# Altium PCB spd150.PcbDoc (part 6 of 15) (continued)
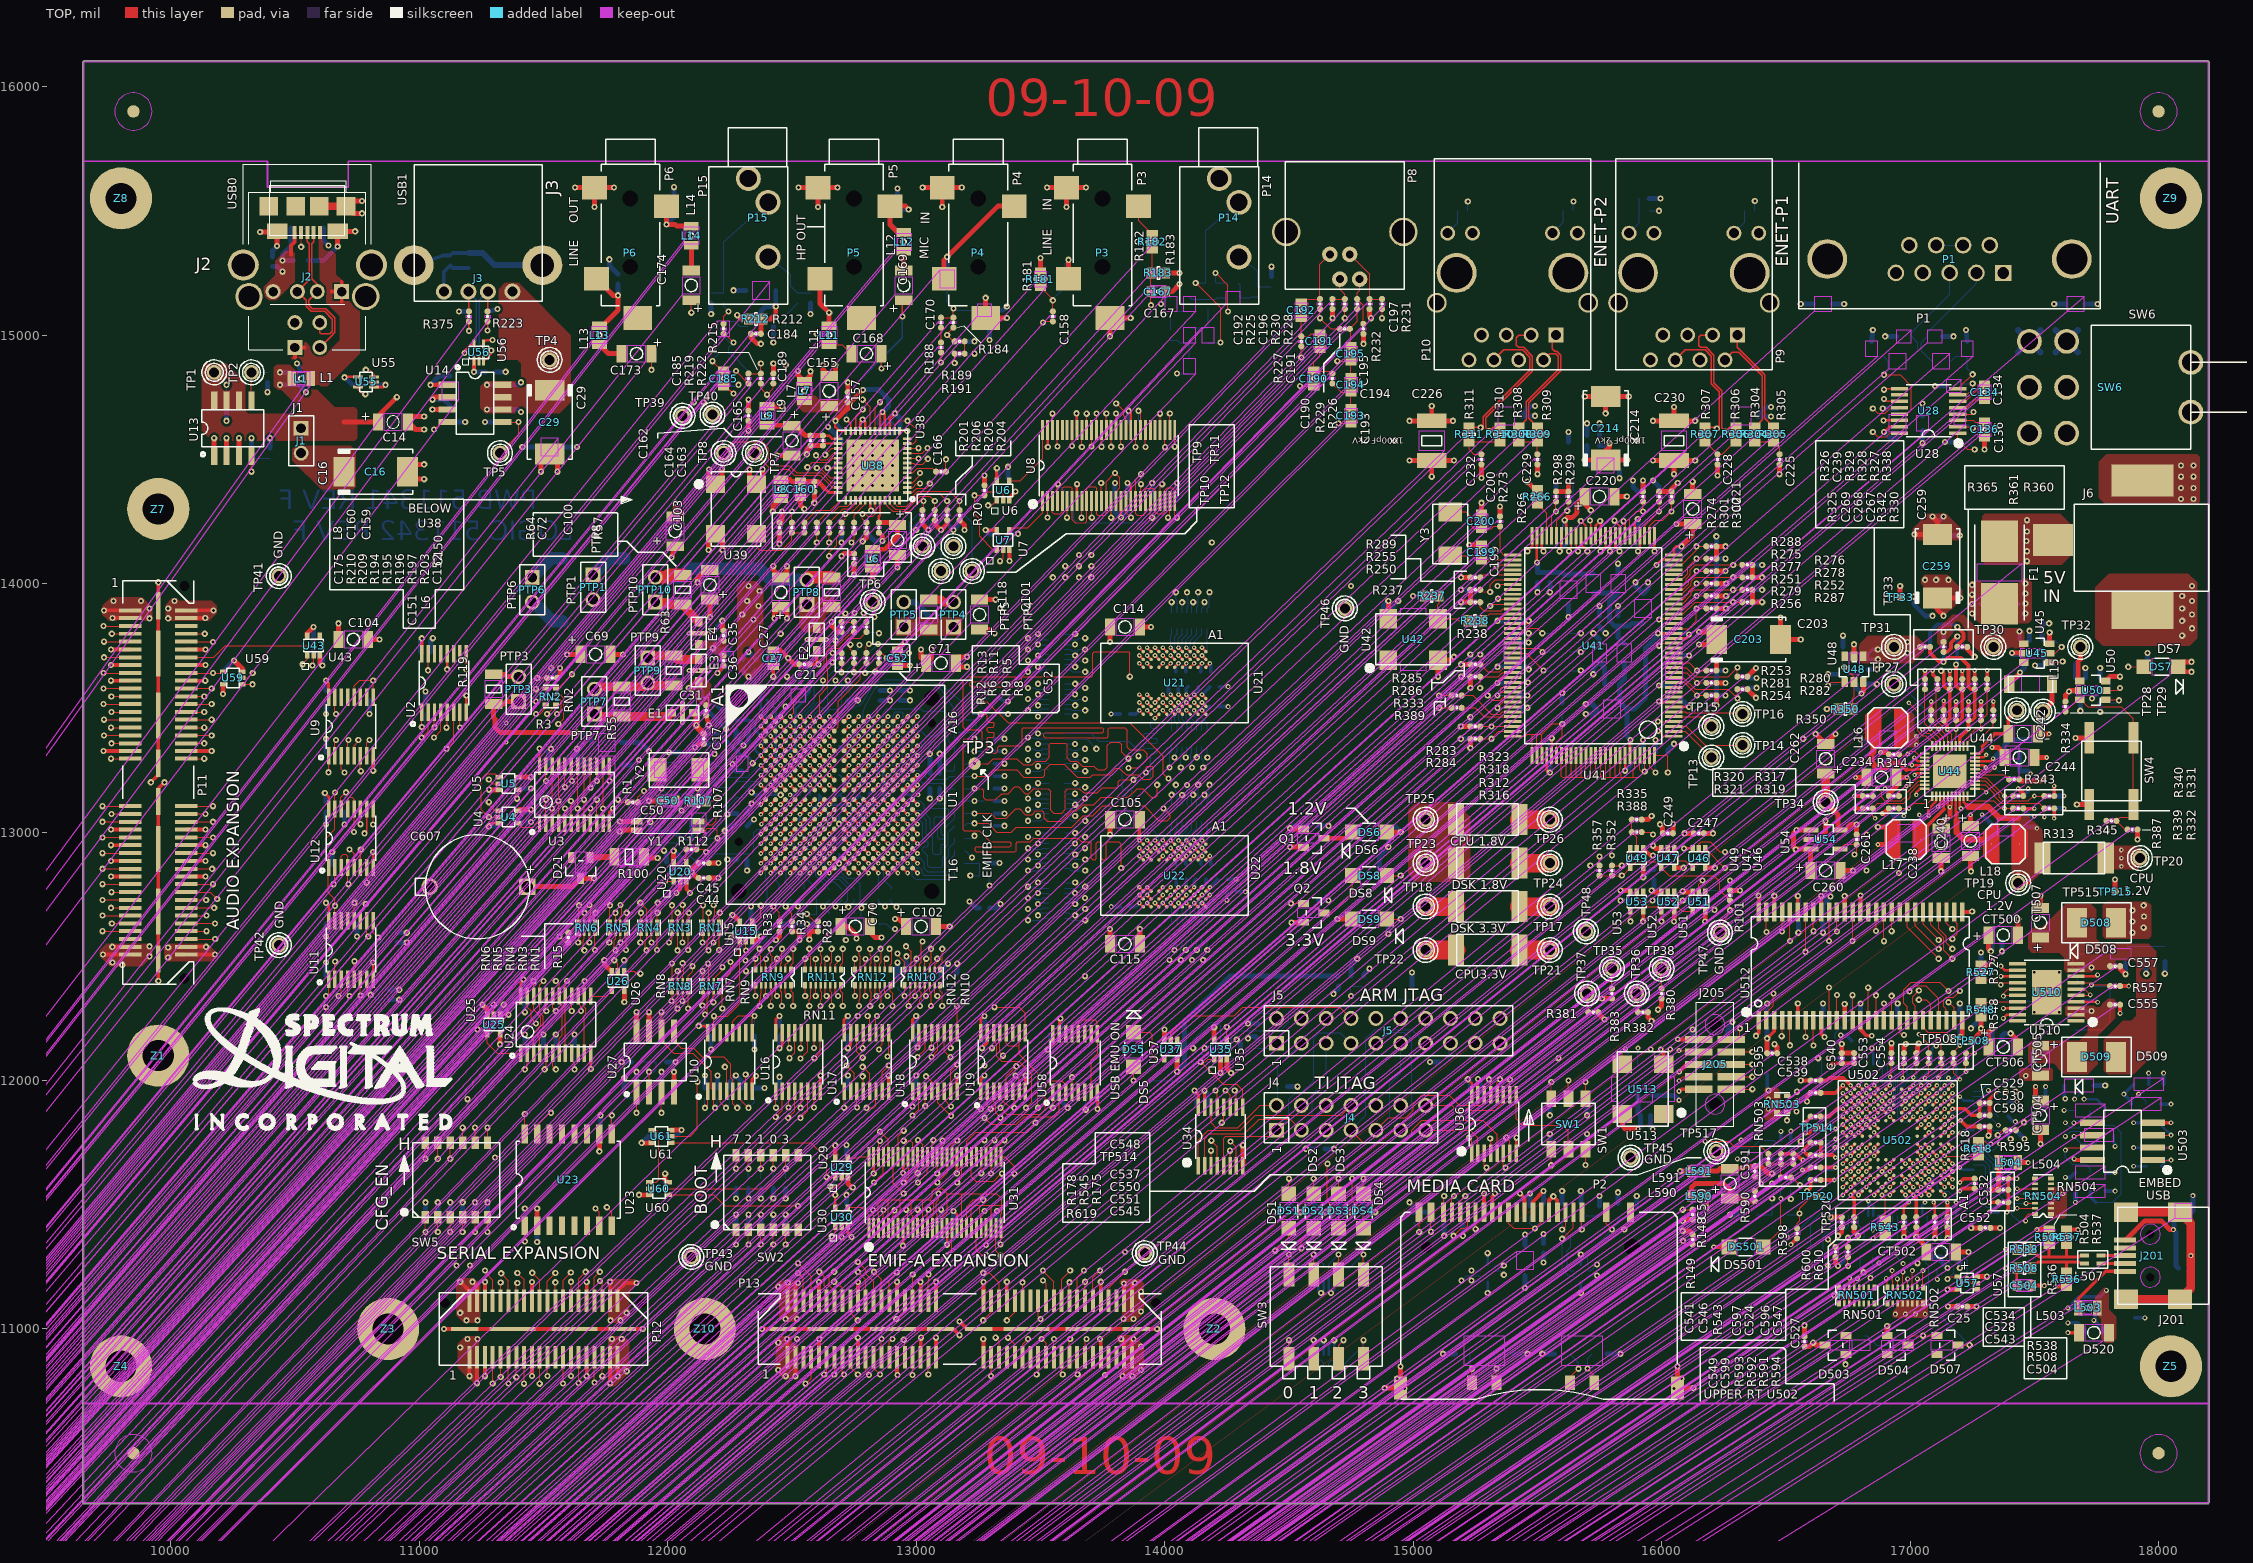
[diagram p0: TOP view]
## Nets (pads, with @x,y where several pads share a name; then routed paths per layer and width w, separated by ;. In a path a pad name is that pad's centre, name@x,y a point inside that pad or via, vN(x,y) a via of type N, cw(c..) or ccw(c..) an arc to the next point about the centre after c; other vN are vias at no path point) (continued)
EMIFB_A12: RN16.5 U21.G1 U22.G1 | length 2197.2
  TOP w10: v2(13961.3,12966.8) U22.G1@13977.1,12951 ; v2(13961.3,13741.8) U21.G1@13977.1,13726
  LYR7-SIG w4: 13887.5,13450 13895,13457.5 13927.5,13457.5 13945.3,13475.3 13945.3,13545 13976.8,13576.5 13976.8,13726.3 v2(13961.3,13741.8)
  LYR7-SIG w5: v1(13640.1,13510) 13700,13510 13705,13505 13705,13430 13700,13425 13620,13425 13615,13420 13615,13410 13620,13405 13838.9,13405 13843.9,13410 13843.9,13420 13838.9,13425 13810,13425 13805,13430 13805,13440 13810,13445 13858.9,13445 13863.9,13440 13863.9,13410 13868.9,13405 13882.5,13405 13887.5,13410 13887.5,13450
  LYR8-SIG w4: v2(13961.3,12966.8) 13961.3,12993.7
  LYR8-SIG w5: v1(13640.1,13510) 13690,13510 13705,13525 13730,13525 13750,13505 13750,13436.8 13755,13431.8 13795,13431.8 13800,13426.8 13800,13416.8 13795,13411.8 13755,13411.8 13750,13406.8 13750,13390 13785,13355 13785,13292.9 13790,13287.9 13805,13287.9 13810,13282.9 13810,13272.9 13805,13267.9 13790,13267.9 13785,13262.9 13785,13252.9 13790,13247.9 13805,13247.9 13810,13242.9 13810,13232.9 13805,13227.9 13790,13227.9 13785,13222.9 13785,13212.9 13790,13207.9 13805,13207.9 13810,13202.9 13810,13192.9 13805,13187.9 13790,13187.9 13785,13182.9 13785,13172.9 13790,13167.9 13805,13167.9 13810,13162.9 13810,13152.9 13805,13147.9 13790,13147.9 13785,13142.9 13785,13130 13792.5,13122.5 13832.5,13122.5 13877.5,13077.5 13877.5,13017.5 13885,13010 13945,13010 13961.3,12993.7
  BOTTOM w5: RN16.5@13597.1,13515.2 13602.5,13515.2 13602.7,13515 13635.1,13515 v1(13640.1,13510)
EMIFB_BA0: RN14.2 U21.G7 U22.G7 | length 2103.7
  TOP w10: v2(13961.3,13521.3) U21.G7@13977.1,13537 ; U22.G7@13977.1,12762 v2(13992.8,12777.8)
  LYR4-SIG w4: 13875,13715 13875,13660 13895,13640 13980,13640 13990,13630 13990,13578.7 13961.3,13550 v2(13961.3,13521.3)
  LYR4-SIG w5: v1(13725,13335) 13725,13370 13715,13380 13645,13380 13635,13390 13635,13430 13660.1,13455.1 13660.1,13518.3 13659.9,13518.5 13659.9,13543.1 13671.6,13554.8 13699.8,13554.8 13710,13565 13710,13600 13804.7,13694.7 13811.7,13694.7 13822.2,13684.2 13829.2,13684.2 13836.4,13691.4 13836.4,13698.4 13825.9,13708.9 13825.9,13715.9 13840,13730 13860,13730 13875,13715
  LYR7-SIG w4: 13960,13000 13977.3,12982.7 13977.3,12894.8 13973.3,12890.8 13964,12890.8 13960,12886.8 13960,12878.8 13964,12874.8 13980.3,12874.8 13985,12870.1 13985,12863.5 13980.3,12858.8 13964,12858.8 13960,12854.8 13960,12846.8 13964,12842.8 13973.3,12842.8 13977.3,12838.8 13977.3,12830.8 13973.3,12826.8 13964,12826.8 13960,12822.8 13960,12814.8 13964,12810.8 13973.3,12810.8 13977.3,12806.8 13977.3,12793.3 v2(13992.8,12777.8)
  LYR7-SIG w5: v1(13725,13335) 13800,13335 13805,13330 13805,13315 13800,13310 13755,13310 13750,13305 13750,13290 13755,13285 13797.5,13285 13802.5,13280 13802.5,13157.5 13835,13125 13835,13025 13845,13015 13945,13015 13960,13000
  BOTTOM w5: RN14.2@13597.1,13374 13597.5,13374.4 13685.6,13374.4 v1(13725,13335)
EMIFB_BA1: RN14.1 U21.G8 U22.G8 | length 1894.7
  TOP w10: v2(13961.3,13489.8) U21.G8@13977.1,13505.5 ; U22.G8@13977.1,12730.5 v2(13992.8,12746.3)
  LYR7-SIG w4: v2(13992.8,12746.3) 14008.3,12761.8 14008.3,12819.4 14012.3,12823.4 14041,12823.4 14045,12827.4 14045,12835.4 14041,12839.4 14012.3,12839.4 14008.3,12843.4 14008.3,12851.4 14012.3,12855.4 14041,12855.4 14045,12859.4 14045,12867.4 14041,12871.4 14012.3,12871.4 14008.3,12875.4 14008.3,13000
  LYR7-SIG w5: v1(13894.9,13305.4) 13894.9,13270.1 13900,13265 13900,13145 13915,13130 13930,13130 14008.3,13051.7 14008.3,13000
  LYR8-SIG w4: 13875,13465 13875,13570 13905,13600 13940,13600 13960,13580 13960,13554.7 13945.3,13540 13945.3,13505.8 v2(13961.3,13489.8)
  LYR8-SIG w5: 13875,13465 13875,13365.3 13880,13360.3 13890,13360.3 13895,13365.3 13895,13460 13900,13465 13910,13465 13915,13460 13915,13345.3 13910,13340.3 13880,13340.3 13875,13335.3 13875,13325.3 v1(13894.9,13305.4)
  BOTTOM w5: RN14.1@13597.1,13396.6 13703.4,13396.6 13735,13365 13855,13365 13895.4,13324.6 13895.4,13305.9 v1(13894.9,13305.4)
EMIFB_CASN: R93.1 R624.2 U21.F7 U22.F7 | length 2200
  TOP w5: v1(13235,13035) 13290,13035 13325,13000 13383.3,13000 13403.3,13020 13626.8,13020 13671.8,13065 13710,13065 13750,13105 13917,13105 13976,13046 14011,13046 14023,13058 14023,13067.9 v1(13995.9,13095)
  TOP w10: v2(13992.8,13552.8) U21.F7@14008.6,13537 ; U22.F7@14008.6,12762 v2(14024.3,12777.8)
  LYR8-SIG w4: v2(13992.8,13552.8) 14008.8,13536.8 14030.8,13536.8 14040.3,13527.3 14040.3,13477 14067.3,13450 ; v2(14024.3,12777.8) 14032.8,12777.8 14056,12801 14119,12801 14134.3,12816.3 14134.3,13000
  LYR8-SIG w5: 14067.3,13450 14108,13409.3 14108,13288 14087,13267 14087,13231 14065,13209 14065,13181.7 14050,13166.7 14050,13135 14040,13125 14025,13125 13995.9,13095.9 v1(13995.9,13095) 14012.9,13078 14029,13078 14058,13107 14127,13107 14134.3,13099.7 14134.3,13000
  BOTTOM w5: R93.1@13195,13025 13205,13035 v1(13235,13035) 13265,13035 R624.2@13275,13025
EMIFB_CLK: R91.1 R622.2 TP3.1 U21.F2 U22.F2 | length 2188
  TOP w5: TP3.1@13235,13275 13290,13275 13310,13295 13405,13295 13430,13270 13466.8,13270 13481.8,13285 13521,13285 13536,13300 13536,13353 13541,13358 13603,13358 13608,13353 13608,13298 13621,13285 13648.4,13285 13668.4,13265 13715,13265 13730,13250 13759,13250 13770,13261 13770,13349 13783,13362 13817,13362 13828,13351 13828,13322 v1(13855,13295)
  TOP w10: v2(13992.8,12935.3) U22.F2@14008.6,12919.5 ; v2(13992.8,13710.3) U21.F2@14008.6,13694.5
  LYR8-SIG w4: 13875,13592.5 13904.2,13621.7 13992.7,13621.7 14000,13629 14000,13647 13992,13655 13977,13655 13967,13665 13967,13684.5 v2(13992.8,13710.3)
  LYR8-SIG w5: v1(13855,13295) 13855,13397 13846,13406 13846,13438 13855,13447 13855,13572.5 13875,13592.5
  BOTTOM w4: 13959.3,13000 13977.3,12982 13977.3,12950.8 v2(13992.8,12935.3)
  BOTTOM w5: R91.1@13195,13275 TP3.1@13235,13275 R622.2@13275,13275 ; v1(13855,13295) 13830,13270 13830,13174.4 13835,13169.4 13865,13169.4 13870,13164.4 13870,13126 13865,13121 13855,13121 13850,13126 13850,13144.4 13845,13149.4 13835,13149.4 13830,13144.4 13830,13107 13926,13011 13948.3,13011 13959.3,13000
EMIFB_CS0N: R92.1 R623.2 U21.G9 U22.G9 | length 2181.6
  TOP w5: v1(13235,13175) 13264,13175 13273,13166 13273,13137 13281,13129 13318,13129 13344,13155 13370,13155 13397,13182 13412,13182 13439,13155 13453.4,13155 13473.4,13175 13532,13175 13542,13165 13542,13087 13553,13076 13585,13076 13601,13092 13601,13165 13611,13175 13656.8,13175 13674.2,13157.6 13728.6,13157.6 13749,13178 13809,13178 13814,13183 13814,13202 13822,13210 v1(13875,13210)
  TOP w10: v2(13961.3,12714.8) U22.G9@13977.1,12699 ; v2(13961.3,13458.3) U21.G9@13977.1,13474
  LYR8-SIG w4: v2(13961.3,12714.8) 13961.3,12850.3 14008.3,12897.3 14008.3,12992.4 14000.7,13000
  LYR8-SIG w5: v1(13875,13210) 13919,13166 13919,13081.7 14000.7,13000
  BOTTOM w4: 13953,13450 v2(13961.3,13458.3)
  BOTTOM w5: R92.1@13195,13175 v1(13235,13175) R623.2@13275,13175 ; v1(13875,13210) 13930,13210 13945,13225 13945,13312 13950,13317 13966,13317 13971,13322 13971,13332 13966,13337 13919,13337 13914,13342 13914,13352 13919,13357 13966,13357 13971,13362 13971,13372 13966,13377 13920,13377 13915,13382 13915,13392 13920,13397 13966,13397 13971,13402 13971,13412 13966,13417 13950,13417 13945,13422 13945,13442 13953,13450
EMIFB_D0: RN13.1 RN21.9 | length 818.5
  LYR3-SIG w5: v1(13640.1,13196.6) 13668.9,13196.6 13736.6,13264.3 13736.6,13311 13770.6,13345 13793.3,13345 13805,13356.7 13805,13379.4 13845.6,13420 14082.5,13420 14171.6,13330.9 v1(14171.6,13300)
  BOTTOM w5: RN13.1@13597.1,13196.6 v1(13640.1,13196.6) ; v1(14171.6,13300) RN21.9@14171.6,13343
EMIFB_D1: RN13.2 RN21.10 | length 819.8
  LYR3-SIG w5: v1(13680.1,13180) 13761.1,13261 13761.1,13265.9 13885,13389.8 14077.1,13389.8 14151.6,13315.3 14151.6,13263.4 v1(14155,13260)
  BOTTOM w5: RN13.2@13597.1,13174 13597.5,13174.4 13647.8,13174.4 13653.4,13180 v1(13680.1,13180) ; RN21.10@14149,13343 14149.4,13342.6 14149.4,13292.3 14155,13286.7 v1(14155,13260)
EMIFB_D2: RN13.3 RN21.11 | length 817.7
  LYR3-SIG w5: v1(13639.5,13154.4) 13632.2,13147.1 13614.2,13147.1 13602.6,13158.7 13602.6,13169.9 13608.3,13175.6 13648.8,13175.6 13664.8,13159.6 13700.8,13159.6 13808,13266.8 13820.1,13266.8 13830,13276.7 13830,13300 13902.7,13372.7 14073.4,13372.7 14129.4,13316.7 v1(14129.4,13300.6)
  BOTTOM w5: RN13.3@13597.1,13154.4 v1(13639.5,13154.4) ; v1(14129.4,13300.6) RN21.11@14129.4,13343
EMIFB_D3: RN13.4 RN21.12 | length 809.2
  LYR3-SIG w5: v1(13679.9,13134.8) 13699.8,13134.8 13811.8,13246.8 13837.8,13246.8 13848.7,13236 13867,13236 13906.7,13275.7 13906.7,13288.9 13914.9,13297.1 13914.9,13343.9 13926,13355 14068,13355 14109.4,13313.6 14109.4,13292.3 14110,13291.7 14110,13260.4 v1(14109.8,13260.2)
  BOTTOM w5: RN13.4@13597.1,13134.8 13620.1,13134.8 13624.9,13130 13650.1,13130 13654.9,13134.8 v1(13679.9,13134.8) ; v1(14109.8,13260.2) 14109.8,13285.2 14105,13290 14105,13315.2 14109.8,13320 RN21.12@14109.8,13343
EMIFB_D4: RN13.5 RN21.13 | length 800.3
  LYR3-SIG w5: v1(13640.1,13110) 13703,13110 13808,13215 13808,13226 13816,13234 13833,13234 13851.7,13215.3 13851.7,13205 13866.7,13190 13903.3,13190 13945,13231.7 13945,13251 13925,13271 13925,13287 13936,13298 13936,13312 13925,13323 13925,13331 13934,13340 14060,13340 14085,13315 v1(14085,13300)
  BOTTOM w5: RN13.5@13597.1,13115.2 13602.5,13115.2 13602.7,13115 13635.1,13115 v1(13640.1,13110) ; v1(14085,13300) 14090,13305 14090,13337.4 14090.2,13337.6 RN21.13@14090.2,13343
EMIFB_D5: RN13.6 RN21.14 | length 818.7
  LYR3-SIG w5: v1(13680.1,13090) 13710,13090 13800,13180 13907.5,13180 13955,13227.5 13955,13292 13984.7,13321.7 14053.3,13321.7 14065,13310 14065,13293.3 14044,13272.3 14044,13241.3 14051.5,13233.8 14059.6,13233.8 14065,13239.2 v1(14065,13260)
  BOTTOM w5: RN13.6@13597.1,13095.6 13620.1,13095.6 13625.7,13090 v1(13680.1,13090) ; v1(14065,13260) 14065,13314.4 14070.6,13320 RN21.14@14070.6,13343
EMIFB_D6: RN13.7 RN21.15 | length 800.8
  LYR3-SIG w5: v1(13640.1,13065) 13626.2,13078.9 13590.2,13078.9 13581,13069.7 13581,13048.3 13590.5,13038.8 13644.3,13038.8 13670.5,13065 13710,13065 13815,13170 13921,13170 13965.1,13214.1 13965.1,13280.1 13992,13307 14015,13307 14022,13300 v1(14040,13300)
  BOTTOM w5: RN13.7@13597.1,13076 13615.1,13076 13626.1,13065 v1(13640.1,13065) ; v1(14040,13300) 14040,13314 14051,13325 RN21.15@14051,13343
EMIFB_D7: RN13.8 RN21.16 | length 819.3
  LYR3-SIG w5: v1(13680.1,13045) 13756.1,13045 13764.9,13053.8 13764.9,13060 13749.7,13075.2 13749.7,13081.4 13797.1,13128.7 13803.3,13128.7 13807.7,13124.3 13807.7,13118.1 13771.1,13081.4 13771.1,13075.2 13775.6,13070.7 13781.8,13070.7 13870,13158.9 13966.9,13158.9 13978,13170 13978.3,13170 13990,13181.7 13990,13200 13980,13210 13980,13245 13995,13260 v1(14020,13260)
  BOTTOM w5: RN13.8@13597.1,13053.4 13616.5,13053.4 13624.9,13045 v1(13680.1,13045) ; v1(14020,13260) 14020,13315.2 14028.4,13323.6 RN21.16@14028.4,13343
EMIFB_D8: RN15.1 RN19.9 | length 813.6
  LYR3-SIG w5: v1(13640.1,13796.6) 13640.1,13835.7 13864.2,14059.8 13941.4,14059.8 13945.8,14055.4 13945.8,14049.2 13941.4,14044.8 13928.6,14044.8 13924.2,14040.4 13924.2,14034.2 13928.6,14029.8 13956.4,14029.8 13960.8,14034.2 13960.8,14055.4 13965.2,14059.8 14002.6,14059.8 14025,14037.4 14025,13956.7 14028.4,13953.3 v1(14028.4,13925)
  BOTTOM w5: RN15.1@13597.1,13796.6 v1(13640.1,13796.6) ; RN19.9@14028.4,13882 v1(14028.4,13925)
EMIFB_D9: RN15.2 RN19.10 | length 813.3
  LYR3-SIG w5: v1(13680.1,13780) 13805.1,13905 13957.9,13905 13962.3,13909.4 13962.3,13915.6 13957.9,13920 13905.1,13920 13900.7,13924.4 13900.7,13930.6 13905.1,13935 13972.9,13935 13977.3,13930.6 13977.3,13909.4 13981.7,13905 14036.7,13905 14048.4,13916.7 14048.4,13933.3 14045,13936.7 v1(14045,13965)
  BOTTOM w5: RN15.2@13597.1,13774 13597.5,13774.4 13647.8,13774.4 13653.4,13780 v1(13680.1,13780) ; v1(14045,13965) 14045,13938.3 14050.6,13932.7 14050.6,13882.4 RN19.10@14051,13882
EMIFB_D10: RN15.3 RN19.11 | length 817.7
  LYR3-SIG w5: v1(13639.5,13754.4) 13671.1,13754.4 13671.7,13755 13690,13755 13783.4,13848.4 13819.8,13848.4 13824.2,13852.8 13824.2,13874 13828.6,13878.4 13924.2,13878.4 13928.6,13874 13928.6,13867.8 13924.2,13863.4 13843.6,13863.4 13839.2,13859 13839.2,13852.8 13843.6,13848.4 14008.4,13848.4 14070.6,13910.6 v1(14070.6,13924.4)
  BOTTOM w5: RN15.3@13597.1,13754.4 v1(13639.5,13754.4) ; RN19.11@14070.6,13882 v1(14070.6,13924.4)
EMIFB_D11: RN15.4 RN19.12 | length 817
  LYR3-SIG w5: v1(13680,13735) 13695,13735 13747.4,13787.4 13805.9,13787.4 13810.3,13791.8 13810.3,13813 13814.7,13817.4 13848.5,13817.4 13852.9,13813 13852.9,13806.8 13848.5,13802.4 13829.7,13802.4 13825.3,13798 13825.3,13791.8 13829.7,13787.4 13977.4,13787.4 14090.6,13900.6 14090.6,13932.7 14090.2,13933.1 v1(14090.2,13964.8)
  BOTTOM w5: RN15.4@13597.1,13734.8 13620.1,13734.8 13624.9,13730 13650.1,13730 13654.9,13734.8 13679.8,13734.8 v1(13680,13735) ; RN19.12@14090.2,13882 14090.2,13905 14095,13909.8 14095,13935 14090.2,13939.8 v1(14090.2,13964.8)
EMIFB_D12: RN15.5 RN19.13 | length 810.4
  LYR3-SIG w5: v1(13640.1,13710) 13795.1,13710 13799.5,13714.4 13799.5,13720.6 13795.1,13725 13755.4,13725 13751,13729.4 13751,13735.6 13755.4,13740 13810.1,13740 13814.5,13735.6 13814.5,13714.4 13818.9,13710 13837.2,13710 13889.4,13762.2 13977.2,13762.2 14115,13900 v1(14115,13925)
  BOTTOM w5: RN15.5@13597.1,13715.2 13602.5,13715.2 13602.7,13715 13635.1,13715 v1(13640.1,13710) ; RN19.13@14109.8,13882 14109.8,13887.4 14110,13887.6 14110,13920 v1(14115,13925)
EMIFB_D13: RN15.6 RN19.14 | length 818.2
  LYR3-SIG w4: 13875,13719.9 13881.4,13726.3 14030.8,13726.3 14039.8,13735.3 14039.8,13759.4 14055.4,13775
  LYR3-SIG w5: v1(13680.1,13690) 13845.1,13690 13875,13719.9 ; 14055.4,13775 14135,13854.6 v1(14135,13965)
  BOTTOM w5: RN15.6@13597.1,13695.6 13620.1,13695.6 13625.7,13690 v1(13680.1,13690) ; RN19.14@14129.4,13882 14129.4,13905 14135,13910.6 v1(14135,13965)
EMIFB_D14: RN15.7 RN19.15 | length 810
  LYR3-SIG w4: 13940,13662.1 14029.6,13662.1 14039.8,13672.3 14039.8,13684.8 14049.3,13694.3 14061.8,13694.3 14071.8,13704.3 14071.8,13761.2 14085.6,13775
  LYR3-SIG w5: v1(13640.1,13665) 13691.8,13665 13694.7,13662.1 13940,13662.1 ; 14085.6,13775 14160,13849.4 v1(14160,13925)
  BOTTOM w5: RN15.7@13597.1,13676 13618.5,13676 13619.5,13675 13630.1,13675 v1(13640.1,13665) ; RN19.15@14149,13882 14149,13900 14160,13911 v1(14160,13925)
EMIFB_D15: RN15.8 RN19.16 | length 814.6
  LYR4-SIG w5: v1(13680.1,13645) 13680.2,13645.1 13850,13790 13990,13790 14157.2,13892.2 14180.1,13915.1 14180.1,13964.9 v1(14180,13965)
  BOTTOM w5: RN15.8@13597.1,13653.4 13620.1,13653.4 13628.5,13645 v1(13680.1,13645) ; RN19.16@14171.6,13882 14171.6,13901.4 14180,13909.8 v1(14180,13965)
EMIFB_D16: RN17.1 RN22.9 | length 818.8
  LYR3-SIG w5: v1(13640.1,12796.6) 13665,12796.6 13673.4,12805 13780,12805 13888.3,12696.7 14133.1,12696.7 14175,12654.8 14175,12526.7 14173.3,12525 v1(14171.6,12525)
  BOTTOM w5: RN17.1@13597.1,12796.6 v1(13640.1,12796.6) ; v1(14171.6,12525) RN22.9@14171.6,12568
EMIFB_D17: RN17.2 RN22.11 | length 804.8
  LYR3-SIG w5: v1(13680.1,12780) 13775,12780 13883.5,12671.5 14136.6,12671.5 14147,12661.1 14147,12634 14137.5,12624.5 14137.5,12607 14159.2,12585.3 14159.2,12569.5 14129.4,12539.7 v1(14129.4,12525.6)
  BOTTOM w5: RN17.2@13597.1,12774 13597.5,12774.4 13647.8,12774.4 13653.4,12780 v1(13680.1,12780) ; v1(14129.4,12525.6) RN22.11@14129.4,12568
EMIFB_D18: RN17.3 RN22.10 | length 810
  LYR3-SIG w5: v1(13639.5,12754.4) 13671.2,12754.4 13671.6,12754.8 13770.2,12754.8 13894.5,12630.5 14087.9,12630.5 14109.4,12609 14109.4,12517.3 14120,12506.7 14120,12505 14140,12485 v1(14155,12485)
  BOTTOM w5: RN17.3@13597.1,12754.4 v1(13639.5,12754.4) ; RN22.10@14149,12568 14149.4,12567.6 14149.4,12517.3 14155,12511.7 v1(14155,12485)
EMIFB_D19: RN17.4 RN22.13 | length 802.6
  LYR3-SIG w5: v1(13679.9,12734.8) 13680.1,12735 13724,12735 13825,12634 13825,12621 13784.9,12580.9 13784.9,12552.2 13814.5,12522.6 13900.7,12522.6 13958.1,12580 14075,12580 14085,12570 v1(14085,12525)
  BOTTOM w5: RN17.4@13597.1,12734.8 13620.1,12734.8 13624.9,12730 13650.1,12730 13654.9,12734.8 v1(13679.9,12734.8) ; v1(14085,12525) 14090,12530 14090,12562.4 14090.2,12562.6 RN22.13@14090.2,12568
EMIFB_D20: RN17.5 RN22.12 | length 811.9
  LYR3-SIG w5: v1(13640.1,12710) 13697.9,12710 13749.2,12658.7 13749.2,12562.7 13812.8,12499.1 13914.6,12499.1 13970.5,12555 14050,12555 14060,12545 14060,12520 14094.8,12485.2 v1(14109.8,12485.2)
  BOTTOM w5: RN17.5@13597.1,12715.2 13602.5,12715.2 13602.7,12715 13635.1,12715 v1(13640.1,12710) ; v1(14109.8,12485.2) 14109.8,12510.2 14105,12515 14105,12540.2 14109.8,12545 RN22.12@14109.8,12568
EMIFB_D21: RN17.6 RN22.15 | length 815.2
  LYR3-SIG w5: v1(13680.1,12690) 13700.1,12670 13700.1,12657.9 13725.7,12632.3 13725.7,12551.3 13709.2,12534.8 13709.2,12492.1 13770.1,12431.2 13920.8,12431.2 13964.7,12475.1 13964.7,12481.3 13960.2,12485.8 13954,12485.8 13953.6,12485.4 13947.4,12485.4 13942.9,12489.9 13942.9,12496.1 13954,12507.2 13960.2,12507.2 13975.4,12492 13981.6,12492 14014.6,12525 v1(14040,12525)
  BOTTOM w5: RN17.6@13597.1,12695.6 13620.1,12695.6 13625.7,12690 v1(13680.1,12690) ; v1(14040,12525) 14040,12539 14051,12550 RN22.15@14051,12568
EMIFB_D22: RN17.7 RN22.14 | length 812.1
  LYR3-SIG w5: v1(13640.1,12665) 13640.6,12664.5 13640.6,12492.9 13744.1,12389.4 13969.4,12389.4 v1(14065,12485)
  BOTTOM w5: RN17.7@13597.1,12676 13615.1,12676 13626.1,12665 v1(13640.1,12665) ; v1(14065,12485) 14065,12539.4 14070.6,12545 RN22.14@14070.6,12568
EMIFB_D23: RN17.8 RN22.16 | length 810.4
  LYR3-SIG w5: v1(13680.1,12645) 13680.1,12593.1 13684.5,12588.7 13705.7,12588.7 13710.1,12584.3 13710.1,12563.6 13705.7,12559.2 13699.5,12559.2 13695.1,12563.6 13695.1,12569.3 13690.7,12573.7 13684.5,12573.7 13680.1,12569.3 13680.1,12484.8 13757,12407.9 13942.9,12407.9 v1(14020,12485)
  BOTTOM w5: RN17.8@13597.1,12653.4 13616.5,12653.4 13624.9,12645 v1(13680.1,12645) ; v1(14020,12485) 14020,12540.2 14028.4,12548.6 RN22.16@14028.4,12568
EMIFB_D24: RN18.1 RN20.9 | length 806.2
  LYR3-SIG w5: v1(13640.1,12996.6) 13617.9,12974.4 13609.7,12974.4 13605.9,12978.2 13605.9,12988.3 13599.4,12994.8 13591,12994.8 13583.5,12987.3 13583.5,12960.8 13576,12953.3 13567.2,12953.3 13557.2,12963.3 13557.2,13011.7 13565.6,13020.1 13755.7,13020.1 13878.9,13143.3 14021.7,13143.3 v1(14028.4,13150)
  BOTTOM w5: RN18.1@13597.1,12996.6 v1(13640.1,12996.6) ; RN20.9@14028.4,13107 v1(14028.4,13150)
EMIFB_D25: RN18.2 RN20.10 | length 819.6
  LYR3-SIG w5: v1(13680.1,12980) 13738,12980 13790.8,13032.8 13797,13032.8 13812.2,13017.6 13818.4,13017.6 13864.8,13064 13864.8,13070.2 13860.3,13074.7 13854.1,13074.7 13818.4,13039 13812.2,13039 13807.7,13043.5 13807.7,13049.7 13883.6,13125.6 14032.3,13125.6 14048.4,13141.7 14048.4,13158.3 14045,13161.7 v1(14045,13190)
  BOTTOM w5: RN18.2@13597.1,12974 13597.5,12974.4 13647.8,12974.4 13653.4,12980 v1(13680.1,12980) ; v1(14045,13190) 14045,13163.3 14050.6,13157.7 14050.6,13107.4 RN20.10@14051,13107
EMIFB_D26: RN18.3 RN20.11 | length 818.6
  LYR3-SIG w5: v1(13639.5,12954.4) 13671.2,12954.4 13671.6,12954.8 13773.2,12954.8 13902.4,13084 13934.1,13084 13938.5,13088.4 13938.5,13094.6 13934.1,13099 13906.8,13099 13902.4,13103.4 13902.4,13109.6 13906.8,13114 13949.1,13114 13953.5,13109.6 13953.5,13088.4 13957.9,13084 13978.6,13084 14000,13062.6 14035.1,13062.6 14044.7,13072.2 14044.7,13078.4 14029.5,13093.6 14029.5,13099.8 14037.6,13107.9 14043.8,13107.9 14048.3,13103.4 14048.3,13096.2 14055.4,13089.1 14061.6,13089.1 14070.6,13098.1 v1(14070.6,13149.4)
  BOTTOM w5: RN18.3@13597.1,12954.4 v1(13639.5,12954.4) ; RN20.11@14070.6,13107 v1(14070.6,13149.4)
EMIFB_D27: RN18.4 RN20.12 | length 810.6
  LYR3-SIG w5: v1(13679.9,12934.8) 13774.5,12934.8 13880.2,13040.5 13951.4,13040.5 13955.8,13044.9 13955.8,13051.1 13951.4,13055.5 13947.3,13055.5 13942.9,13059.9 13942.9,13066.1 13947.3,13070.5 13966.4,13070.5 14002.5,13034.4 14033.5,13034.4 14090.6,13091.5 14090.6,13189.4 v1(14090.2,13189.8)
  BOTTOM w5: RN18.4@13597.1,12934.8 13620.1,12934.8 13624.9,12930 13650.1,12930 13654.9,12934.8 v1(13679.9,12934.8) ; RN20.12@14090.2,13107 14090.2,13130 14095,13134.8 14095,13160 14090.2,13164.8 v1(14090.2,13189.8)
EMIFB_D28: RN18.5 RN20.13 | length 817.7
  LYR3-SIG w5: v1(13640.1,12910) 13624.7,12925.4 13610.9,12925.4 13601.7,12916.2 13601.7,12897.9 13611,12888.6 13649.5,12888.6 13670.9,12910 13772.3,12910 13879.6,13017.3 14042.2,13017.3 14115,13090.1 v1(14115,13150)
  BOTTOM w5: RN18.5@13597.1,12915.2 13602.5,12915.2 13602.7,12915 13635.1,12915 v1(13640.1,12910) ; RN20.13@14109.8,13107 14109.8,13112.4 14110,13112.6 14110,13145 v1(14115,13150)
EMIFB_D29: RN18.6 RN20.14 | length 810.7
  LYR3-SIG w5: v1(13680.1,12890) 13774.7,12890 13887.1,13002.4 14051.3,13002.4 14135,13086.1 v1(14135,13190)
  BOTTOM w5: RN18.6@13597.1,12895.6 13620.1,12895.6 13625.7,12890 v1(13680.1,12890) ; RN20.14@14129.4,13107 14129.4,13130 14135,13135.6 v1(14135,13190)
EMIFB_D30: RN18.7 RN20.15 | length 809.2
  LYR3-SIG w5: v1(13640.1,12865) 13771.5,12865 13891.8,12985.3 14125.3,12985.3 14160,13020 v1(14160,13150)
  BOTTOM w5: RN18.7@13597.1,12876 13615.1,12876 13626.1,12865 v1(13640.1,12865) ; RN20.15@14149,13107 14149,13125 14160,13136 v1(14160,13150)
EMIFB_D31: RN18.8 RN20.16 | length 809.4
  LYR4-SIG w5: v1(13680.1,12845) 13810.7,12953.8 14159.5,13117.2 14180,13137.7 v1(14180,13190)
  BOTTOM w5: RN18.8@13597.1,12853.4 13616.5,12853.4 13624.9,12845 v1(13680.1,12845) ; RN20.16@14171.6,13107 14171.6,13126.4 14180,13134.8 v1(14180,13190)
EMIFB_RASN: R94.1 R625.2 U21.F8 U22.F8 | length 2188.7
  TOP w5: v1(13260,13525) 13285,13525 13370,13440 13860,13440 13995,13305 13995,13235 v1(14015,13215)
  TOP w10: v2(13992.8,13521.3) U21.F8@14008.6,13505.5 ; U22.F8@14008.6,12730.5 v2(14024.3,12746.3)
  LYR8-SIG w4: v2(13992.8,13521.3) 13993.7,13521.3 14008.8,13506.2 14008.8,13474 14020,13462.8 14020,13450 ; v2(14024.3,12746.3) 14023.7,12746.3 14008.8,12761.2 14008.8,12793.2 14071.3,12855.7 14071.3,13000
  LYR8-SIG w5: 14020,13450 14020,13427 14025,13422 14055,13422 14060,13417 14060,13346 14055,13341 14045,13341 14040,13346 14040,13397 14035,13402 14025,13402 14020,13397 14020,13331 14009,13320 13970,13320 13962,13312 13962,13287 14015,13234 v1(14015,13215) 14015,13180 13975.9,13140.9 13975.9,13084.1 14005,13055 14036,13055 14071.3,13019.7 14071.3,13000
  BOTTOM w5: R94.1@13225,13525 v1(13260,13525) R625.2@13295,13540
EMIFB_SDCKE: R90.1 R621.2 U21.F3 U22.F3 | length 2190.4
  TOP w5: v1(13235,13225) 13290,13225 13315,13250 13404,13250 13434,13220 13509,13220 13518,13229 13518,13250 13540,13272 13596,13272 13648,13220 13700,13220 13710,13230 13777,13230 13804,13257 13818,13257 13845,13230 13893,13230 13911,13212 13943,13212 13955,13224 13955,13260 13950,13265 13930,13265 13925,13260 v1(13925,13240)
  TOP w10: U22.F3@14008.6,12888 v2(14024.3,12903.8) ; U21.F3@14008.6,13663 v2(14024.3,13678.8)
  LYR7-SIG w4: v2(14024.3,12903.8) 14024.3,12904.3 14040,12920 14040,13000 ; v2(14024.3,13678.8) 14024.3,13590.7 14040,13575 14040,13474 14064,13450
  LYR7-SIG w5: 14040,13000 14040,13069 14045,13074 14055,13074 14060,13069 14060,13028 14065,13023 14075,13023 14080,13028 14080,13089 14075,13094 14045,13094 14040,13099 14040,13119 14030,13129 14001,13129 13925,13205 v1(13925,13240) 14020,13335 14074,13335 14091,13352 14091,13423 14064,13450
  BOTTOM w5: R90.1@13195,13225 v1(13235,13225) R621.2@13275,13225
EMIFB_WEN: R99.1 R630.2 U21.F9 U22.F9 | length 2183.2
  TOP w5: v1(13235,13075) 13300,13075 13320,13055 13363.3,13055 13401.3,13093 13417,13093 13440,13070 13466.8,13070 13481.8,13085 13507,13085 13516,13076 13516,13056 13528,13044 13586,13044 13627,13085 13646.8,13085 13671.8,13110 13715,13110 13744,13139 13853,13139 13889,13175 13911,13175 13947,13139 13963,13139 13970,13146 v1(13970,13190)
  TOP w10: v2(13992.8,12714.8) U22.F9@14008.6,12699 ; v2(13992.8,13489.8) U21.F9@14008.6,13474
  LYR8-SIG w4: v2(13992.8,12714.8) 13977.3,12730.3 13977.3,12784.3 13992.8,12799.8 13992.8,12838.8 14040.3,12886.3 14040.3,13000 ; 13992.8,13450 v2(13992.8,13489.8)
  LYR8-SIG w5: 13992.8,13450 13992.8,13447.8 13981,13436 13951,13436 13941,13426 13941,13406 13946,13401 13993,13401 13998,13396 13998,13386 13993,13381 13946,13381 13941,13376 13941,13366 13946,13361 13992,13361 13997,13356 13997,13346 13992,13341 13946,13341 13941,13336 13941,13311 13927,13297 13927,13277 13970,13234 v1(13970,13190) 13945,13165 13945,13084 14000,13029 14028,13029 14040.3,13016.7 14040.3,13000
  BOTTOM w5: R99.1@13195,13075 v1(13235,13075) R630.2@13275,13075
EMIFB_WEN_DQM0: R95.1 R626.2 U21.E8 | length 2181.1
  TOP w10: v2(14024.3,13521.3) U21.E8@14040.1,13505.5
  LYR3-SIG w4: v2(14024.3,13521.3) 14040,13505.6 14040,13465 14025,13450
  LYR3-SIG w5: v1(13235,13125) 13238.3,13128.3 13244.9,13128.3 13270.6,13102.6 13360.9,13102.6 13418.3,13160 13468,13160 13482.4,13174.4 13571.4,13174.4 13606,13209 13606,13409 13601,13414 13591,13414 13586,13409 13586,13220 13581,13215 13571,13215 13566,13220 13566,13423 13583,13440 13638.9,13440 13643.9,13435 13643.9,13382 13648.9,13377 13658.9,13377 13663.9,13382 13663.9,13435 13668.9,13440 13678.9,13440 13683.9,13435 13683.9,13382 13688.9,13377 13698.9,13377 13703.9,13382 13703.9,13435 13708.9,13440 13718.9,13440 13723.9,13435 13723.9,13382 13728.9,13377 13738.9,13377 13743.9,13382 13743.9,13435 13748.9,13440 13758.9,13440 13763.9,13435 13763.9,13382 13768.9,13377 13778.9,13377 13783.9,13382 13783.9,13435 13788.9,13440 14015,13440 14025,13450
  BOTTOM w5: R95.1@13195,13125 v1(13235,13125) R626.2@13275,13125
EMIFB_WEN_DQM1: R96.1 R627.2 U21.F1 | length 2184.5
  TOP w5: v1(13235,13325) 13265,13355 13265,13401 13255,13411 13200,13411 13190,13421 13190,13609 13206,13625 13398,13625 13403,13620 13403,13610 13398,13605 13221,13605 13216,13600 13216,13590 13221,13585 13420,13585 13425,13590 13425,13620 13430,13625 13706,13625 13711,13630 13711,13720 13716,13725 13855,13725 13860,13720 v1(13860,13625)
  TOP w10: v2(13992.8,13741.8) U21.F1@14008.6,13726
  LYR8-SIG w4: v2(13992.8,13741.8) 13992.8,13775
  LYR8-SIG w5: v1(13860,13625) 13826,13625 13821,13630 13821,13783 13835,13797 13978,13797 13992.8,13782.2 13992.8,13775
  BOTTOM w5: R96.1@13195,13325 v1(13235,13325) R627.2@13275,13325
EMIFB_WEN_DQM2: R97.1 R628.2 U22.E8 | length 2184
  TOP w5: v1(13235,13375) 13194,13375 13189,13370 13189,13010 13194,13005 13254,13005 13299,12960 13377.1,12960 13382.1,12955 13382.1,12945 13377.1,12940 13242,12940 13237,12935 13237,12925 13242,12920 13397.1,12920 13402.1,12925 13402.1,12955 13407.1,12960 13458.4,12960 13473.4,12975 13651,12975 13666,12960 13700.1,12960 13705.1,12955 13705.1,12894 13710.1,12889 13720.1,12889 13725.1,12894 13725.1,12955 13730.1,12960 13740.1,12960 13745.1,12955 13745.1,12894 13750.1,12889 13760.1,12889 13765.1,12894 13765.1,12955 13770.1,12960 13815,12960 13825,12950 v1(13825,12855)
  TOP w10: U22.E8@14040.1,12730.5 v2(14055.8,12746.3)
  LYR3-SIG w4: 13885,12815 14015,12815 14040,12790 14040,12762.1 v2(14055.8,12746.3)
  LYR3-SIG w5: v1(13825,12855) 13865,12815 13885,12815
  BOTTOM w5: R97.1@13195,13375 v1(13235,13375) R628.2@13275,13375
EMIFB_WEN_DQM3: R98.1 R629.2 U22.F1 | length 2192.3
  TOP w5: v1(13260,13475) 13281,13475 13286,13470 13286,13447.1 13291,13442.1 13310,13442.1 13315,13437.1 13315,13427.1 13310,13422.1 13291,13422.1 13286,13417.1 13286,13407.1 13291,13402.1 13310,13402.1 13315,13397.1 13315,13387.1 13310,13382.1 13291,13382.1 13286,13377.1 13286,13322 13291,13317 13320,13317 13328,13325 13328,13340 13335,13347 13421,13347 13426,13352 13426,13415 13431,13420 13749,13420 13754,13415 13754,13405 13749,13400 13519,13400 13514,13395 13514,13385 13519,13380 13769,13380 13774,13385 13774,13415 13779,13420 13839,13420 13849,13410 13849,13341 13859.2,13330.8 13914.1,13330.8 13930,13315 13930,13294 13894,13258 v1(13855,13258)
  TOP w10: v2(13992.8,12966.8) U22.F1@14008.6,12951
  LYR7-SIG w4: v2(13992.8,12966.8) 13992.8,13000
  LYR7-SIG w5: v1(13855,13258) 13855,13233.6 13845,13223.6 13845,13155 13992.8,13007.2 13992.8,13000
  BOTTOM w5: R98.1@13225,13475 v1(13260,13475) R629.2@13295,13490

## Text inside footprints (layer, text, board x,y; h text height)
R222: PIN_NUMBER "1" at 12367,14845 h20 r270; PIN_NUMBER "2" at 12367,14805 h20 r270; ASSEMBLY_TOP "USERPART#" at 12225,14825 h25 r270; ASSEMBLY_TOP "TOLERANCE" at 12275,14825 h25 r270; ASSEMBLY_TOP "0" at 12375,14825 h25 r270; SYMBOL_PART_DIM "0" at 12362,14917 h25 r270; SYMBOL_PART_DIM "0" at 12291,14833 h25 r270; SYMBOL_PART_DIM "C402-35X32" at 12237,14948 h25 r270; SYMBOL_PART_DIM "PAD 35X32 OV" at 12187,14948 h25 r270
R223: PIN_NUMBER "1" at 11267,15055 h20 r90; PIN_NUMBER "2" at 11267,15095 h20 r90; ASSEMBLY_TOP "USERPART#" at 11425,15075 h25 r90; ASSEMBLY_TOP "TOLERANCE" at 11375,15075 h25 r90; ASSEMBLY_TOP "24.9 1%" at 11275,15075 h25 r90; SYMBOL_PART_DIM "0" at 11288,14983 h25 r90; SYMBOL_PART_DIM "0" at 11359,15067 h25 r90; SYMBOL_PART_DIM "C402-35X32" at 11413,14952 h25 r90; SYMBOL_PART_DIM "PAD 35X32 OV" at 11463,14952 h25 r90
R224: PIN_NUMBER "2" at 10217,14705 h20 r90; PIN_NUMBER "1" at 10217,14745 h20 r90; ASSEMBLY_BOTTOM "USERPART#" at 10375,14725 h25 r90; ASSEMBLY_BOTTOM "TOLERANCE" at 10325,14725 h25 r90; ASSEMBLY_BOTTOM "10K" at 10225,14725 h25 r90; SYMBOL_PART_DIM "0" at 10238,14817 h25 r90; SYMBOL_PART_DIM "0" at 10309,14733 h25 r90; SYMBOL_PART_DIM "C402-35X32" at 10363,14848 h25 r90; SYMBOL_PART_DIM "PAD 35X32 OV" at 10413,14848 h25 r90
R225: PIN_NUMBER "2" at 14617,15145 h20 r90; PIN_NUMBER "1" at 14617,15105 h20 r90; ASSEMBLY_TOP "USERPART#" at 14775,15125 h25 r90; ASSEMBLY_TOP "TOLERANCE" at 14725,15125 h25 r90; ASSEMBLY_TOP "2.2K" at 14625,15125 h25 r90; SYMBOL_PART_DIM "0" at 14638,15033 h25 r90; SYMBOL_PART_DIM "0" at 14709,15117 h25 r90; SYMBOL_PART_DIM "C402-35X32" at 14763,15002 h25 r90; SYMBOL_PART_DIM "PAD 35X32 OV" at 14813,15002 h25 r90
R226: PIN_NUMBER "2" at 14667,14805 h20 r270; PIN_NUMBER "1" at 14667,14845 h20 r270; ASSEMBLY_TOP "USERPART#" at 14525,14825 h25 r270; ASSEMBLY_TOP "TOLERANCE" at 14575,14825 h25 r270; ASSEMBLY_TOP "10K 1%" at 14675,14825 h25 r270; SYMBOL_PART_DIM "0" at 14662,14917 h25 r270; SYMBOL_PART_DIM "0" at 14591,14833 h25 r270; SYMBOL_PART_DIM "C402-35X32" at 14537,14948 h25 r270; SYMBOL_PART_DIM "PAD 35X32 OV" at 14487,14948 h25 r270
R227: PIN_NUMBER "1" at 14542,14995 h20 r270; PIN_NUMBER "2" at 14542,14955 h20 r270; ASSEMBLY_TOP "USERPART#" at 14400,14975 h25 r270; ASSEMBLY_TOP "TOLERANCE" at 14450,14975 h25 r270; ASSEMBLY_TOP "10K 1%" at 14550,14975 h25 r270; SYMBOL_PART_DIM "0" at 14537,15067 h25 r270; SYMBOL_PART_DIM "0" at 14466,14983 h25 r270; SYMBOL_PART_DIM "C402-35X32" at 14412,15098 h25 r270; SYMBOL_PART_DIM "PAD 35X32 OV" at 14362,15098 h25 r270
R228: PIN_NUMBER "2" at 14767,15145 h20 r90; PIN_NUMBER "1" at 14767,15105 h20 r90; ASSEMBLY_TOP "USERPART#" at 14925,15125 h25 r90; ASSEMBLY_TOP "TOLERANCE" at 14875,15125 h25 r90; ASSEMBLY_TOP "NO-POP" at 14775,15125 h25 r90; SYMBOL_PART_DIM "0" at 14788,15033 h25 r90; SYMBOL_PART_DIM "0" at 14859,15117 h25 r90; SYMBOL_PART_DIM "C402-35X32" at 14913,15002 h25 r90; SYMBOL_PART_DIM "PAD 35X32 OV" at 14963,15002 h25 r90
R229: PIN_NUMBER "2" at 14737,15025 h20; PIN_NUMBER "1" at 14697,15025 h20; ASSEMBLY_TOP "USERPART#" at 14725,14875 h25; ASSEMBLY_TOP "TOLERANCE" at 14725,14925 h25; ASSEMBLY_TOP "0" at 14725,15025 h25; SYMBOL_PART_DIM "0" at 14633,15012 h25; SYMBOL_PART_DIM "0" at 14717,14941 h25; SYMBOL_PART_DIM "C402-35X32" at 14602,14887 h25; SYMBOL_PART_DIM "PAD 35X32 OV" at 14602,14837 h25
R230: PIN_NUMBER "2" at 14717,15145 h20 r90; PIN_NUMBER "1" at 14717,15105 h20 r90; ASSEMBLY_TOP "USERPART#" at 14875,15125 h25 r90; ASSEMBLY_TOP "TOLERANCE" at 14825,15125 h25 r90; ASSEMBLY_TOP "0" at 14725,15125 h25 r90; SYMBOL_PART_DIM "0" at 14738,15033 h25 r90; SYMBOL_PART_DIM "0" at 14809,15117 h25 r90; SYMBOL_PART_DIM "C402-35X32" at 14863,15002 h25 r90; SYMBOL_PART_DIM "PAD 35X32 OV" at 14913,15002 h25 r90
R231: PIN_NUMBER "2" at 14867,15145 h20 r90; PIN_NUMBER "1" at 14867,15105 h20 r90; ASSEMBLY_TOP "USERPART#" at 15025,15125 h25 r90; ASSEMBLY_TOP "TOLERANCE" at 14975,15125 h25 r90; ASSEMBLY_TOP "0" at 14875,15125 h25 r90; SYMBOL_PART_DIM "0" at 14888,15033 h25 r90; SYMBOL_PART_DIM "0" at 14959,15117 h25 r90; SYMBOL_PART_DIM "C402-35X32" at 15013,15002 h25 r90; SYMBOL_PART_DIM "PAD 35X32 OV" at 15063,15002 h25 r90
R232: PIN_NUMBER "2" at 14792,15005 h20 r270; PIN_NUMBER "1" at 14792,15045 h20 r270; ASSEMBLY_TOP "USERPART#" at 14650,15025 h25 r270; ASSEMBLY_TOP "TOLERANCE" at 14700,15025 h25 r270; ASSEMBLY_TOP "0" at 14800,15025 h25 r270; SYMBOL_PART_DIM "0" at 14787,15117 h25 r270; SYMBOL_PART_DIM "0" at 14716,15033 h25 r270; SYMBOL_PART_DIM "C402-35X32" at 14662,15148 h25 r270; SYMBOL_PART_DIM "PAD 35X32 OV" at 14612,15148 h25 r270
R233: PIN_NUMBER "1" at 15942,15550 h20; PIN_NUMBER "2" at 15902,15550 h20; ASSEMBLY_BOTTOM "USERPART#" at 15930,15400 h25; ASSEMBLY_BOTTOM "TOLERANCE" at 15930,15450 h25; ASSEMBLY_BOTTOM "1K" at 15930,15550 h25; SYMBOL_PART_DIM "0" at 16022,15537 h25; SYMBOL_PART_DIM "0" at 15938,15466 h25; SYMBOL_PART_DIM "C402-35X32" at 16053,15412 h25; SYMBOL_PART_DIM "PAD 35X32 OV" at 16053,15362 h25
R234: PIN_NUMBER "1" at 15902,15500 h20 r180; PIN_NUMBER "2" at 15942,15500 h20 r180; ASSEMBLY_BOTTOM "USERPART#" at 15930,15650 h25 r180; ASSEMBLY_BOTTOM "TOLERANCE" at 15930,15600 h25 r180; ASSEMBLY_BOTTOM "220" at 15930,15500 h25 r180; SYMBOL_PART_DIM "0" at 15838,15513 h25 r180; SYMBOL_PART_DIM "0" at 15922,15584 h25 r180; SYMBOL_PART_DIM "C402-35X32" at 15807,15638 h25 r180; SYMBOL_PART_DIM "PAD 35X32 OV" at 15807,15688 h25 r180
R235: PIN_NUMBER "2" at 16367,15500 h20 r180; PIN_NUMBER "1" at 16327,15500 h20 r180; ASSEMBLY_BOTTOM "USERPART#" at 16355,15650 h25 r180; ASSEMBLY_BOTTOM "TOLERANCE" at 16355,15600 h25 r180; ASSEMBLY_BOTTOM "220" at 16355,15500 h25 r180; SYMBOL_PART_DIM "0" at 16263,15513 h25 r180; SYMBOL_PART_DIM "0" at 16347,15584 h25 r180; SYMBOL_PART_DIM "C402-35X32" at 16232,15638 h25 r180; SYMBOL_PART_DIM "PAD 35X32 OV" at 16232,15688 h25 r180
R236: PIN_NUMBER "2" at 15372,13500 h20; PIN_NUMBER "1" at 15412,13500 h20; ASSEMBLY_BOTTOM "USERPART#" at 15400,13350 h25; ASSEMBLY_BOTTOM "TOLERANCE" at 15400,13400 h25; ASSEMBLY_BOTTOM "2.2K" at 15400,13500 h25; SYMBOL_PART_DIM "0" at 15492,13487 h25; SYMBOL_PART_DIM "0" at 15408,13416 h25; SYMBOL_PART_DIM "C402-35X32" at 15523,13362 h25; SYMBOL_PART_DIM "PAD 35X32 OV" at 15523,13312 h25
R237: PIN_NUMBER "2" at 15089,13950 h40; PIN_NUMBER "1" at 15029,13950 h40; ASSEMBLY_TOP "49.9" at 15050,13935 h40; ASSEMBLY_TOP "X" at 15080,13935 h40; ASSEMBLY_TOP "X" at 15115,13935 h40; SYMB_DIM "PAD 35X45OV" at 15260,14025 h40; SYMB_DIM "SM  43X53OV" at 15260,13965 h40; SYMB_DIM "SP  35X45OV" at 15260,13895 h40; SYMB_DIM "R603-35X45" at 14865,14140 h40; SYMB_DIM "0" at 15055,13810 h40; SYMB_DIM "0" at 14930,13930 h40
R238: PIN_NUMBER "1" at 15264,13850 h40 r180; PIN_NUMBER "2" at 15204,13850 h40 r180; ASSEMBLY_TOP "49.9" at 15275,13865 h40 r180; ASSEMBLY_TOP "X" at 15245,13865 h40 r180; ASSEMBLY_TOP "X" at 15210,13865 h40 r180; SYMB_DIM "PAD 35X45OV" at 15065,13775 h40 r180; SYMB_DIM "SM  43X53OV" at 15065,13835 h40 r180; SYMB_DIM "SP  35X45OV" at 15065,13905 h40 r180; SYMB_DIM "R603-35X45" at 15460,13660 h40 r180; SYMB_DIM "0" at 15270,13990 h40 r180; SYMB_DIM "0" at 15395,13870 h40 r180
R239: PIN_NUMBER "2" at 15212,15500 h20 r180; PIN_NUMBER "1" at 15172,15500 h20 r180; ASSEMBLY_BOTTOM "USERPART#" at 15200,15650 h25 r180; ASSEMBLY_BOTTOM "TOLERANCE" at 15200,15600 h25 r180; ASSEMBLY_BOTTOM "220" at 15200,15500 h25 r180; SYMBOL_PART_DIM "0" at 15108,15513 h25 r180; SYMBOL_PART_DIM "0" at 15192,15584 h25 r180; SYMBOL_PART_DIM "C402-35X32" at 15077,15638 h25 r180; SYMBOL_PART_DIM "PAD 35X32 OV" at 15077,15688 h25 r180
R240: PIN_NUMBER "1" at 15597,15500 h20 r180; PIN_NUMBER "2" at 15637,15500 h20 r180; ASSEMBLY_BOTTOM "USERPART#" at 15625,15650 h25 r180; ASSEMBLY_BOTTOM "TOLERANCE" at 15625,15600 h25 r180; ASSEMBLY_BOTTOM "220" at 15625,15500 h25 r180; SYMBOL_PART_DIM "0" at 15533,15513 h25 r180; SYMBOL_PART_DIM "0" at 15617,15584 h25 r180; SYMBOL_PART_DIM "C402-35X32" at 15502,15638 h25 r180; SYMBOL_PART_DIM "PAD 35X32 OV" at 15502,15688 h25 r180
R241: PIN_NUMBER "1" at 15614,13800 h40; PIN_NUMBER "2" at 15554,13800 h40; SYMB_DIM "PAD 35X45OV" at 15415,13875 h40; SYMB_DIM "SM  43X53OV" at 15415,13815 h40; SYMB_DIM "SP  35X45OV" at 15415,13745 h40; SYMB_DIM "R603-35X45" at 15810,13990 h40; SYMB_DIM "0" at 15620,13660 h40; SYMB_DIM "0" at 15745,13780 h40; ASSEMBLY_BOTTOM "49.9" at 15625,13785 h40; ASSEMBLY_BOTTOM "X" at 15595,13785 h40; ASSEMBLY_BOTTOM "X" at 15560,13785 h40
R242: PIN_NUMBER "2" at 15554,13650 h40; PIN_NUMBER "1" at 15614,13650 h40; SYMB_DIM "PAD 35X45OV" at 15415,13725 h40; SYMB_DIM "SM  43X53OV" at 15415,13665 h40; SYMB_DIM "SP  35X45OV" at 15415,13595 h40; SYMB_DIM "R603-35X45" at 15810,13840 h40; SYMB_DIM "0" at 15620,13510 h40; SYMB_DIM "0" at 15745,13630 h40; ASSEMBLY_BOTTOM "49.9" at 15625,13635 h40; ASSEMBLY_BOTTOM "X" at 15595,13635 h40; ASSEMBLY_BOTTOM "X" at 15560,13635 h40
R243: PIN_NUMBER "2" at 15554,13725 h40; PIN_NUMBER "1" at 15614,13725 h40; SYMB_DIM "PAD 35X45OV" at 15415,13800 h40; SYMB_DIM "SM  43X53OV" at 15415,13740 h40; SYMB_DIM "SP  35X45OV" at 15415,13670 h40; SYMB_DIM "R603-35X45" at 15810,13915 h40; SYMB_DIM "0" at 15620,13585 h40; SYMB_DIM "0" at 15745,13705 h40; ASSEMBLY_BOTTOM "49.9" at 15625,13710 h40; ASSEMBLY_BOTTOM "X" at 15595,13710 h40; ASSEMBLY_BOTTOM "X" at 15560,13710 h40
R244: PIN_NUMBER "2" at 16172,14000 h20; PIN_NUMBER "1" at 16212,14000 h20; ASSEMBLY_BOTTOM "USERPART#" at 16200,13850 h25; ASSEMBLY_BOTTOM "TOLERANCE" at 16200,13900 h25; ASSEMBLY_BOTTOM "NO-POP" at 16200,14000 h25; SYMBOL_PART_DIM "0" at 16292,13987 h25; SYMBOL_PART_DIM "0" at 16208,13916 h25; SYMBOL_PART_DIM "C402-35X32" at 16323,13862 h25; SYMBOL_PART_DIM "PAD 35X32 OV" at 16323,13812 h25
R245: PIN_NUMBER "2" at 16317,13975 h20; PIN_NUMBER "1" at 16357,13975 h20; ASSEMBLY_BOTTOM "USERPART#" at 16345,13825 h25; ASSEMBLY_BOTTOM "TOLERANCE" at 16345,13875 h25; ASSEMBLY_BOTTOM "NO-POP" at 16345,13975 h25; SYMBOL_PART_DIM "0" at 16437,13962 h25; SYMBOL_PART_DIM "0" at 16353,13891 h25; SYMBOL_PART_DIM "C402-35X32" at 16468,13837 h25; SYMBOL_PART_DIM "PAD 35X32 OV" at 16468,13787 h25
R246: PIN_NUMBER "2" at 16172,13650 h20; PIN_NUMBER "1" at 16212,13650 h20; ASSEMBLY_BOTTOM "USERPART#" at 16200,13500 h25; ASSEMBLY_BOTTOM "TOLERANCE" at 16200,13550 h25; ASSEMBLY_BOTTOM "NO-POP" at 16200,13650 h25; SYMBOL_PART_DIM "0" at 16292,13637 h25; SYMBOL_PART_DIM "0" at 16208,13566 h25; SYMBOL_PART_DIM "C402-35X32" at 16323,13512 h25; SYMBOL_PART_DIM "PAD 35X32 OV" at 16323,13462 h25
R247: PIN_NUMBER "2" at 16172,13550 h20; PIN_NUMBER "1" at 16212,13550 h20; ASSEMBLY_BOTTOM "USERPART#" at 16200,13400 h25; ASSEMBLY_BOTTOM "TOLERANCE" at 16200,13450 h25; ASSEMBLY_BOTTOM "NO-POP" at 16200,13550 h25; SYMBOL_PART_DIM "0" at 16292,13537 h25; SYMBOL_PART_DIM "0" at 16208,13466 h25; SYMBOL_PART_DIM "C402-35X32" at 16323,13412 h25; SYMBOL_PART_DIM "PAD 35X32 OV" at 16323,13362 h25
R248: PIN_NUMBER "2" at 15262,13975 h20 r180; PIN_NUMBER "1" at 15222,13975 h20 r180; ASSEMBLY_BOTTOM "USERPART#" at 15250,14125 h25 r180; ASSEMBLY_BOTTOM "TOLERANCE" at 15250,14075 h25 r180; ASSEMBLY_BOTTOM "2K" at 15250,13975 h25 r180; SYMBOL_PART_DIM "0" at 15158,13988 h25 r180; SYMBOL_PART_DIM "0" at 15242,14059 h25 r180; SYMBOL_PART_DIM "C402-35X32" at 15127,14113 h25 r180; SYMBOL_PART_DIM "PAD 35X32 OV" at 15127,14163 h25 r180
R249: PIN_NUMBER "2" at 16172,13900 h20; PIN_NUMBER "1" at 16212,13900 h20; ASSEMBLY_BOTTOM "USERPART#" at 16200,13750 h25; ASSEMBLY_BOTTOM "TOLERANCE" at 16200,13800 h25; ASSEMBLY_BOTTOM "2K" at 16200,13900 h25; SYMBOL_PART_DIM "0" at 16292,13887 h25; SYMBOL_PART_DIM "0" at 16208,13816 h25; SYMBOL_PART_DIM "C402-35X32" at 16323,13762 h25; SYMBOL_PART_DIM "PAD 35X32 OV" at 16323,13712 h25
R250: PIN_NUMBER "1" at 15222,13925 h20; PIN_NUMBER "2" at 15262,13925 h20; ASSEMBLY_TOP "USERPART#" at 15250,13775 h25; ASSEMBLY_TOP "TOLERANCE" at 15250,13825 h25; ASSEMBLY_TOP "0" at 15250,13925 h25; SYMBOL_PART_DIM "0" at 15158,13912 h25; SYMBOL_PART_DIM "0" at 15242,13841 h25; SYMBOL_PART_DIM "C402-35X32" at 15127,13787 h25; SYMBOL_PART_DIM "PAD 35X32 OV" at 15127,13737 h25
R251: PIN_NUMBER "2" at 16212,14000 h20; PIN_NUMBER "1" at 16172,14000 h20; ASSEMBLY_TOP "USERPART#" at 16200,13850 h25; ASSEMBLY_TOP "TOLERANCE" at 16200,13900 h25; ASSEMBLY_TOP "NO-POP" at 16200,14000 h25; SYMBOL_PART_DIM "0" at 16108,13987 h25; SYMBOL_PART_DIM "0" at 16192,13916 h25; SYMBOL_PART_DIM "C402-35X32" at 16077,13862 h25; SYMBOL_PART_DIM "PAD 35X32 OV" at 16077,13812 h25
R252: PIN_NUMBER "2" at 16357,13975 h20; PIN_NUMBER "1" at 16317,13975 h20; ASSEMBLY_TOP "USERPART#" at 16345,13825 h25; ASSEMBLY_TOP "TOLERANCE" at 16345,13875 h25; ASSEMBLY_TOP "NO-POP" at 16345,13975 h25; SYMBOL_PART_DIM "0" at 16253,13962 h25; SYMBOL_PART_DIM "0" at 16337,13891 h25; SYMBOL_PART_DIM "C402-35X32" at 16222,13837 h25; SYMBOL_PART_DIM "PAD 35X32 OV" at 16222,13787 h25
R253: PIN_NUMBER "2" at 16212,13650 h20; PIN_NUMBER "1" at 16172,13650 h20; ASSEMBLY_TOP "USERPART#" at 16200,13500 h25; ASSEMBLY_TOP "TOLERANCE" at 16200,13550 h25; ASSEMBLY_TOP "2K" at 16200,13650 h25; SYMBOL_PART_DIM "0" at 16108,13637 h25; SYMBOL_PART_DIM "0" at 16192,13566 h25; SYMBOL_PART_DIM "C402-35X32" at 16077,13512 h25; SYMBOL_PART_DIM "PAD 35X32 OV" at 16077,13462 h25
R254: PIN_NUMBER "2" at 16212,13550 h20; PIN_NUMBER "1" at 16172,13550 h20; ASSEMBLY_TOP "USERPART#" at 16200,13400 h25; ASSEMBLY_TOP "TOLERANCE" at 16200,13450 h25; ASSEMBLY_TOP "2K" at 16200,13550 h25; SYMBOL_PART_DIM "0" at 16108,13537 h25; SYMBOL_PART_DIM "0" at 16192,13466 h25; SYMBOL_PART_DIM "C402-35X32" at 16077,13412 h25; SYMBOL_PART_DIM "PAD 35X32 OV" at 16077,13362 h25
R255: PIN_NUMBER "2" at 15222,13975 h20 r180; PIN_NUMBER "1" at 15262,13975 h20 r180; ASSEMBLY_TOP "USERPART#" at 15250,14125 h25 r180; ASSEMBLY_TOP "TOLERANCE" at 15250,14075 h25 r180; ASSEMBLY_TOP "NO-POP" at 15250,13975 h25 r180; SYMBOL_PART_DIM "0" at 15342,13988 h25 r180; SYMBOL_PART_DIM "0" at 15258,14059 h25 r180; SYMBOL_PART_DIM "C402-35X32" at 15373,14113 h25 r180; SYMBOL_PART_DIM "PAD 35X32 OV" at 15373,14163 h25 r180
R256: PIN_NUMBER "2" at 16212,13900 h20; PIN_NUMBER "1" at 16172,13900 h20; ASSEMBLY_TOP "USERPART#" at 16200,13750 h25; ASSEMBLY_TOP "TOLERANCE" at 16200,13800 h25; ASSEMBLY_TOP "NO-POP" at 16200,13900 h25; SYMBOL_PART_DIM "0" at 16108,13887 h25; SYMBOL_PART_DIM "0" at 16192,13816 h25; SYMBOL_PART_DIM "C402-35X32" at 16077,13762 h25; SYMBOL_PART_DIM "PAD 35X32 OV" at 16077,13712 h25
R257: PIN_NUMBER "2" at 15917,14330 h20 r90; PIN_NUMBER "1" at 15917,14370 h20 r90; ASSEMBLY_BOTTOM "USERPART#" at 16075,14350 h25 r90; ASSEMBLY_BOTTOM "TOLERANCE" at 16025,14350 h25 r90; ASSEMBLY_BOTTOM "NO-POP" at 15925,14350 h25 r90; SYMBOL_PART_DIM "0" at 15938,14442 h25 r90; SYMBOL_PART_DIM "0" at 16009,14358 h25 r90; SYMBOL_PART_DIM "C402-35X32" at 16063,14473 h25 r90; SYMBOL_PART_DIM "PAD 35X32 OV" at 16113,14473 h25 r90
R258: PIN_NUMBER "2" at 16172,14100 h20; PIN_NUMBER "1" at 16212,14100 h20; ASSEMBLY_BOTTOM "USERPART#" at 16200,13950 h25; ASSEMBLY_BOTTOM "TOLERANCE" at 16200,14000 h25; ASSEMBLY_BOTTOM "NO-POP" at 16200,14100 h25; SYMBOL_PART_DIM "0" at 16292,14087 h25; SYMBOL_PART_DIM "0" at 16208,14016 h25; SYMBOL_PART_DIM "C402-35X32" at 16323,13962 h25; SYMBOL_PART_DIM "PAD 35X32 OV" at 16323,13912 h25
R259: PIN_NUMBER "2" at 16317,14075 h20; PIN_NUMBER "1" at 16357,14075 h20; ASSEMBLY_BOTTOM "USERPART#" at 16345,13925 h25; ASSEMBLY_BOTTOM "TOLERANCE" at 16345,13975 h25; ASSEMBLY_BOTTOM "2K" at 16345,14075 h25; SYMBOL_PART_DIM "0" at 16437,14062 h25; SYMBOL_PART_DIM "0" at 16353,13991 h25; SYMBOL_PART_DIM "C402-35X32" at 16468,13937 h25; SYMBOL_PART_DIM "PAD 35X32 OV" at 16468,13887 h25